# Altium PCB OneBox.PcbDoc (part 3 of 13) (continued)
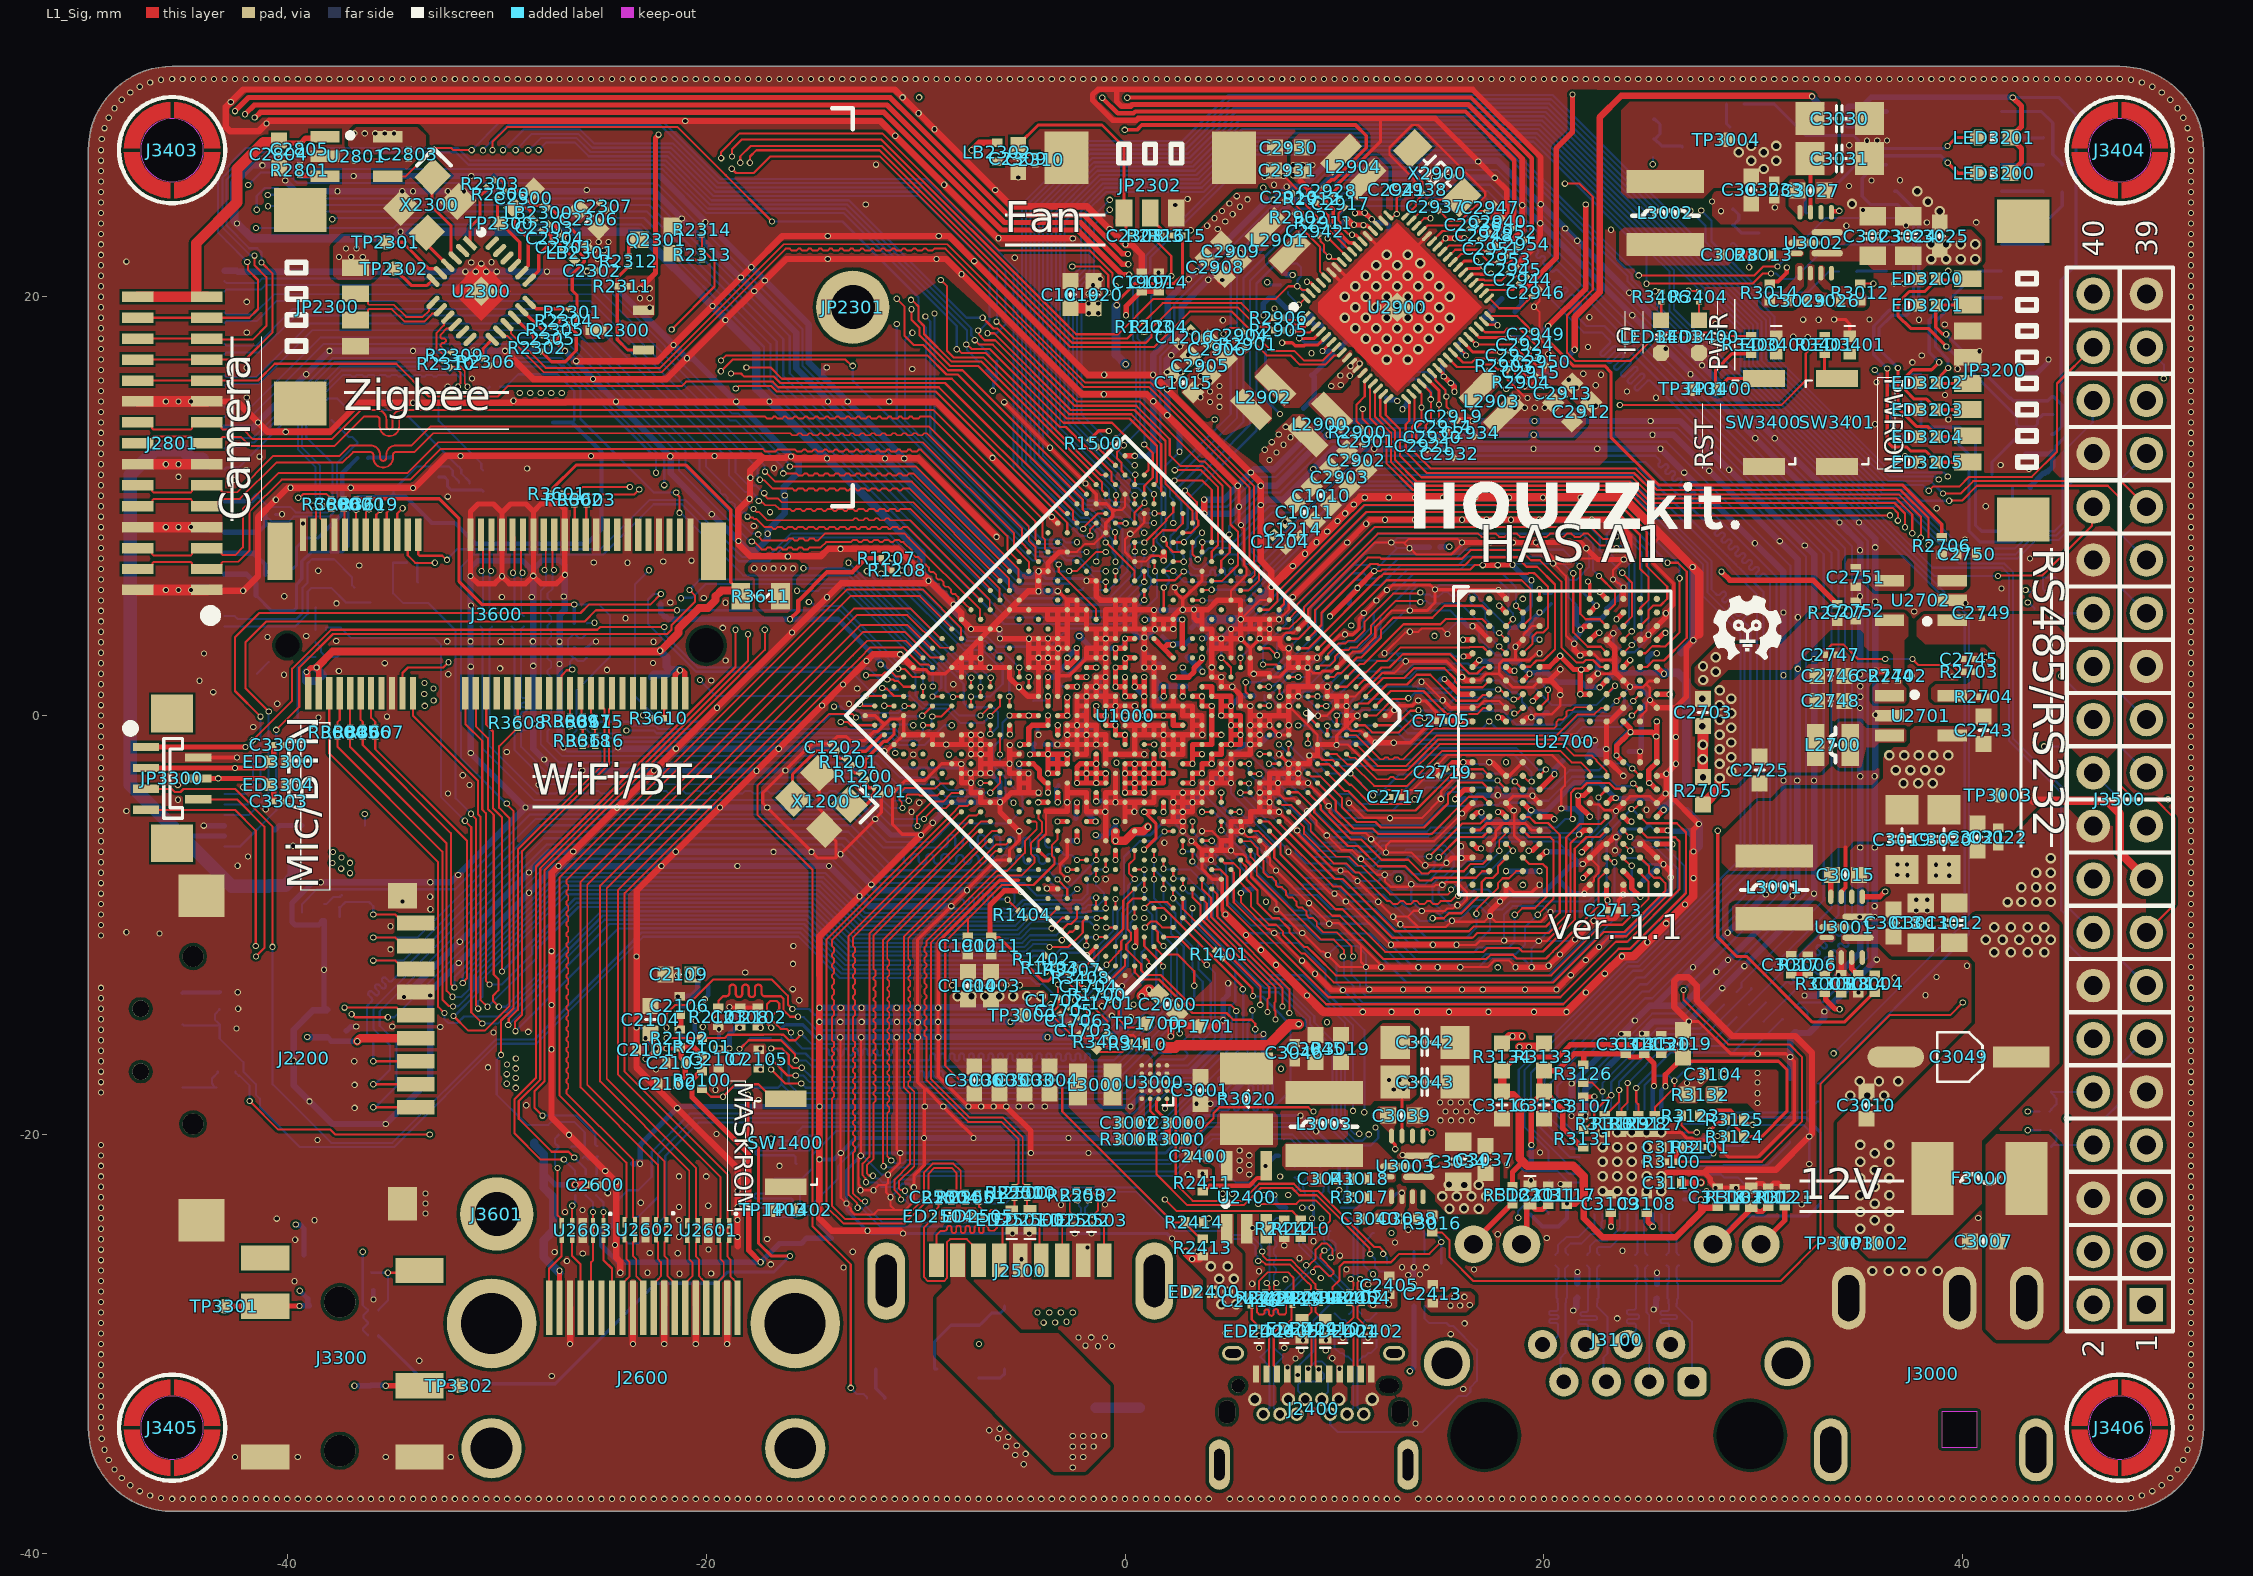
[diagram p0: L1_Sig view]
## Nets (pads, with @x,y where several pads share a name; then routed paths per layer and width w, separated by ;. In a path a pad name is that pad's centre, name@x,y a point inside that pad or via, vN(x,y) a via of type N, cw(c..) or ccw(c..) an arc to the next point about the centre after c; other vN are vias at no path point) (continued)
CSI_RESET_GPIO_A4: J2801.12 U1000.AG3 | length 65.7
  L1_Sig w0.102: J2801.12@-47.15,17 J2801.12@-43.85,17 -42,17 -40.7,18.3 -40.7,21.099 v1(-41.233,21.632) ; v1(-8.033,17.494) -7.98,17.494 -7.792,17.307 -6.637,17.307 -3.111,13.781 -2.817,13.781 -0.642,11.605 -0.642,11.213 U1000.AG3@-0.46,11.031
  L6_Sig w0.102: v1(-41.233,21.632) -41.233,22.115 -41.434,22.316 -41.816,22.316 -42.9,23.4 -42.9,25.6 -41.806,26.694 -39.694,26.694 -39.096,26.096 -22.099,26.096 -21.903,25.9 -20.003,24 -13.433,24 -8.033,18.601 v1(-8.033,17.494)
DDR_A_DM0: U1000.H5 U2700.C3 | length 16.1
  L1_Sig w0.104: U1000.H5@7.354,1.379 7.372,1.36 7.372,0.921 v1(7.391,0.903) ; U2700.C3@18.227,4.309 v1(18.517,4.598)
  L6_Sig w0.104: v1(7.391,0.903) 7.391,0.956 7.935,1.5 8.845,1.5 10.548,3.203 11.165,3.203 11.173,3.211 11.183,3.211 12.184,4.212 12.184,4.222 12.192,4.229 12.192,4.746 13.891,6.445 17.855,6.445 18.306,5.994 18.306,5.094 18.517,4.883 v1(18.517,4.598)
DDR_A_DM1: U1000.J4 U2700.C10 | length 25.6
  L1_Sig w0.104: v1(6.591,2.443) 7.209,2.443 U1000.J4@7.354,2.298 ; v1(23.737,6.822) 24.2,6.359 24.2,4.725 23.986,4.511 U2700.C10@23.773,4.298
  L6_Sig w0.104: v1(6.591,2.443) 6.591,3.274 7.7,4.383 7.7,4.747 11.953,9 22.193,9 22.665,8.528 22.665,7.895 v1(23.737,6.822)
DDR_A_DQ0: U1000.F2 U2700.B2 | length 9.5
  L1_Sig w0.104: U1000.F2@9.652,1.838 9.962,1.838 10.143,2.019 10.318,2.019 11.075,2.776 11.273,2.776 12.227,3.73 12.227,4.104 12.793,4.669 14.669,4.669 15.246,5.246 17.069,5.246 U2700.B2@17.392,4.924
DDR_A_DQ1: U1000.E1 U2700.C2 | length 8.1
  L1_Sig w0.104: U1000.E1@10.571,1.838 11.202,2.469 11.4,2.469 13.291,4.36 15.06,4.36 15.314,4.614 17.052,4.614 U2700.C2@17.392,4.274
DDR_A_DQ2: U1000.E2 U2700.E2 | length 8.3
  L1_Sig w0.104: U1000.E2@10.1,1.3 10.1,1.367 U1000.E2@10.112,1.379 10.593,1.379 11.265,2.051 11.496,2.051 12.046,2.6 12.5,2.6 13.144,3.244 16.433,3.244 16.466,3.277 17.088,3.277 U2700.E2@17.392,2.974
DDR_A_DQ3: U1000.D1 U2700.F2 | length 7.5
  L1_Sig w0.104: U1000.D1@11.075,1.379 11.406,1.71 11.658,1.71 12.241,2.293 12.627,2.293 13.265,2.931 15.517,2.931 16.441,2.007 16.807,2.007 17.124,2.324 U2700.F2@17.392,2.324
DDR_A_DQ4: U1000.J1 U2700.F4 | length 19.3
  L1_Sig w0.104: U1000.J1@8.733,3.677 9.383,4.327 9.383,4.901 11.718,7.237 12.05,7.237 12.103,7.184 16.229,7.184 16.605,7.56 18.724,7.56 19.172,7.111 19.675,7.111 20.525,6.261 20.525,3.173 19.979,2.627 19.642,2.627 19.347,2.332 19.001,2.332 U2700.F4@18.992,2.324
DDR_A_DQ5: U1000.J2 U2700.E4 | length 17.5
  L1_Sig w0.104: U1000.J2@8.273,3.217 8.755,3.217 12.176,6.638 12.222,6.638 12.359,6.775 19.06,6.775 19.243,6.775 19.272,6.804 19.514,6.804 19.516,6.801 19.55,6.801 20.162,6.189 20.195,6.156 20.195,4.195 19.97,3.97 19.657,3.97 19.458,3.77 19.458,3.494 19.46,3.491 19.46,3.442 U2700.E4@18.992,2.974
DDR_A_DQ6: U1000.H1 U2700.C4 | length 13.6
  L1_Sig w0.104: U1000.H1@9.214,3.195 10.09,4.071 12.486,6.467 18.936,6.467 19.352,6.051 19.352,4.634 U2700.C4@18.995,4.277
DDR_A_DQ7: U1000.H4 U2700.B4 | length 14.8
  L1_Sig w0.104: U1000.H4@7.814,1.838 v1(8.273,1.838) ; v1(18.667,5.248) U2700.B4@18.992,4.924
  L6_Sig w0.104: v1(8.273,1.838) 8.738,1.838 10.418,3.518 11.055,3.518 11.877,4.339 11.877,4.877 13.76,6.76 18.04,6.76 18.66,6.14 18.66,5.711 ; v1@18.66,5.255 18.66,5.711
DDR_A_DQ8: U1000.M1 U2700.B11 | length 23.9
  L1_Sig w0.104: U1000.M1@7.354,5.056 7.354,5.088 7.594,5.327 7.594,5.791 11.52,9.718 23.494,9.718 24.592,8.62 24.592,7.008 25,6.6 25,5.533 24.604,5.136 24.604,4.936 U2700.B11@24.592,4.924
DDR_A_DQ9: U1000.N2 U2700.C11 | length 26.9
  L1_Sig w0.104: U1000.N2@6.435,5.056 6.876,5.056 7.279,5.458 7.279,5.679 7.286,5.686 7.286,5.918 11.426,10.058 23.635,10.058 24.9,8.793 24.9,8.757 24.907,8.75 24.907,7.139 25.89,6.155 25.89,5.577 25.568,5.255 25.215,5.255 25,5.039 25,4.681 U2700.C11@24.649,4.33
DDR_A_DQ10: U1000.L7 U2700.E11 | length 33
  L1_Sig w0.104: v1(4.596,2.758) 5.056,2.298 U1000.L7@5.056,1.838 ; U2700.E11@24.592,2.974 24.846,2.974 25.18,3.308 25.53,3.308 25.807,3.307 26.479,3.979 v1(26.479,6.562)
  L6_Sig w0.104: v1(4.596,2.758) 4.596,3.191 5.647,4.242 5.67,4.242 5.879,4.451 5.879,4.473 11.431,10.025 23.667,10.025 26.479,7.214 v1(26.479,6.562)
DDR_A_DQ11: U1000.L6 U2700.F11 | length 32.3
  L1_Sig w0.104: U1000.L6@5.515,2.298 v1(5.515,2.758) ; U2700.F11@24.592,2.324 24.919,2.324 25.226,2.631 25.731,2.631 26.82,3.72 26.82,6.873 26.393,7.3 v1(25.9,7.3)
  L6_Sig w0.104: v1(5.515,2.758) 5.9,3.142 5.9,4.037 6.186,4.323 6.186,4.346 11.558,9.718 23.493,9.718 25.9,7.311 v1(25.9,7.3)
DDR_A_DQ12: U1000.K2 U2700.F9 | length 21.6
  L1_Sig w0.104: U1000.K2@7.814,3.677 7.819,3.672 8.284,3.672 8.872,4.26 9.076,4.463 9.076,5.028 11.591,7.544 12.178,7.544 12.231,7.491 16.091,7.491 16.5,7.9 18.894,7.9 19.376,7.419 19.806,7.419 20.833,6.392 20.833,3.267 21.571,2.529 21.867,2.529 21.993,2.656 22.344,2.656 22.676,2.324 U2700.F9@22.992,2.324
DDR_A_DQ13: U1000.J6 U2700.E9 | length 23.6
  L1_Sig w0.104: U1000.J6@6.435,1.379 6.436,1.377 6.856,1.377 v1(6.857,1.375) ; v1(21.398,6.8) 21.398,3.976 22.089,3.285 22.715,3.285 22.992,3.008 U2700.E9@22.992,2.974
  L6_Sig w0.104: v1(6.857,1.375) 6.896,1.414 7.07,1.414 9.415,3.758 9.415,4.97 10.93,6.485 11.27,6.485 11.521,6.233 12.22,6.233 13.159,7.173 15.924,7.173 16.352,7.602 20.577,7.602 21.378,6.8 v1(21.398,6.8)
DDR_A_DQ14: U1000.J7 U2700.C9 | length 24.6
  L1_Sig w0.104: v1(5.758,1.595) 5.748,1.585 5.748,1.146 U1000.J7@5.975,0.919 ; v1(21.713,7.131) 21.732,7.112 21.732,4.868 22,4.6 22.665,4.6 ; 22.796,4.469 22.665,4.6 ; U2700.C9@22.992,4.274 22.665,4.6
  L6_Sig w0.104: v1(5.758,1.595) 6.46,1.595 6.581,1.716 6.763,1.716 6.768,1.721 6.943,1.721 9.108,3.886 9.108,5.097 10.81,6.8 11.4,6.8 11.659,6.541 12.092,6.541 13.036,7.484 13.47,7.484 13.478,7.492 15.792,7.492 16.222,7.922 20.923,7.922 v1(21.713,7.131)
DDR_A_DQ15: U1000.L4 U2700.B9 | length 23.1
  L1_Sig w0.104: U1000.L4@6.435,3.217 6.894,3.217 7.23,2.882 v1(7.258,2.882) ; v1(22.629,6.663) 23.4,5.893 23.4,5.332 U2700.B9@22.992,4.924
  L6_Sig w0.104: v1(7.258,2.882) 7.258,3.441 8.015,4.197 8.015,4.609 12.091,8.685 21.843,8.685 22.351,8.177 22.351,8.132 22.353,8.131 22.353,7.854 22.351,7.852 22.351,6.942 v1(22.629,6.663)
DDR_A_DQS0_N: U1000.G2 U2700.E3 | length 11.8
  L1_Sig w0.091: U1000.G2@9.192,2.298 9.233,2.298 9.337,2.402 9.799,2.402 10.034,2.637 10.034,2.823 10.341,3.13 10.664,3.13 10.788,3.255 11.075,3.255 11.749,3.929 11.749,4.315 12.9,5.466 13.939,5.466 13.946,5.459 14.061,5.459 v1(14.1,5.42) ; v1(17.866,3.299) U2700.E3@18.192,2.974
  L6_Sig w0.091: v1(14.1,5.42) 14.139,5.459 14.249,5.459 14.261,5.47 14.405,5.47 14.515,5.36 15.998,5.36 17.27,4.088 17.27,3.885 17.857,3.299 v1(17.866,3.299)
DDR_A_DQS0_P: U1000.G1 U2700.D3 | length 11.9
  L1_Sig w0.091: U1000.G1@9.652,2.758 9.678,2.784 9.678,2.92 10.208,3.45 10.531,3.45 10.656,3.575 10.942,3.575 11.429,4.061 11.429,4.447 12.803,5.821 13.939,5.821 13.956,5.838 14.061,5.838 v1(14.1,5.877) ; v1(17.866,3.948) U2700.D3@18.192,3.624
  L6_Sig w0.091: v1(14.1,5.877) 14.158,5.877 14.244,5.79 14.537,5.79 14.648,5.68 14.964,5.68 15.184,5.9 15.4,5.9 15.584,5.716 15.8,5.716 15.984,5.9 16.3,5.9 16.5,5.7 16.5,5.4 16.7,5.2 17,5.2 17.2,5 17.2,4.621 17.59,4.231 17.59,4.019 17.65,3.96 17.855,3.96 v1(17.866,3.948)
DDR_A_DQS1_N: U1000.L1 U2700.E10 | length 24.6
  L1_Sig w0.091: U1000.L1@7.814,4.596 7.814,4.611 8.223,5.021 8.223,5.311 11.924,9.012 22.241,9.012 22.818,8.435 23.307,8.435 23.431,8.558 v1(23.469,8.558) ; U2700.E10@23.792,2.974 v1(24.192,3.373)
  L6_Sig w0.091: v1(23.469,8.558) 23.524,8.558 23.622,8.46 24.012,8.46 24.651,7.82 24.651,3.833 v1(24.192,3.373)
DDR_A_DQS1_P: U1000.L2 U2700.D10 | length 24.6
  L1_Sig w0.091: U1000.L2@7.354,4.137 7.382,4.165 7.84,4.165 8.403,4.727 8.403,4.747 8.544,4.888 8.544,5.179 12.056,8.692 16.866,8.692 17.022,8.536 17.245,8.536 17.4,8.692 17.708,8.692 17.864,8.536 18.136,8.536 18.292,8.692 18.708,8.692 18.864,8.536 19.136,8.536 19.292,8.692 19.708,8.692 19.864,8.536 20.136,8.536 20.292,8.692 20.508,8.692 20.664,8.536 20.936,8.536 21.092,8.692 21.308,8.692 21.464,8.536 21.736,8.536 21.892,8.692 22.108,8.692 22.685,8.115 23.305,8.115 23.414,8.006 v1(23.469,8.006) ; U2700.D10@23.792,3.624 v1(24.192,4.023)
  L6_Sig w0.091: v1(23.469,8.006) 23.524,8.006 23.622,8.104 23.915,8.104 24.331,7.687 24.331,4.181 24.192,4.041 v1(24.192,4.023)
DDR_B_DM0: U1000.D14 U2700.Y3 | length 17.2
  L1_Sig w0.104: U1000.D14@5.056,-4.596 v1(5.461,-4.595) ; v1(14.686,-9.678) 15.222,-9.678 15.465,-9.435 16.065,-9.435 17.034,-8.466 17.034,-7.947 17.223,-7.758 17.561,-7.758 17.8,-7.519 17.8,-7.208 U2700.Y3@18.192,-6.816
  L6_Sig w0.104: v1(5.461,-4.595) 5.74,-4.874 5.951,-4.874 7.417,-6.341 7.417,-6.349 7.425,-6.356 7.425,-6.641 8.536,-7.753 10.198,-7.753 10.682,-8.236 12.517,-8.236 12.753,-8.472 14.084,-9.803 14.509,-9.803 14.634,-9.678 v1(14.686,-9.678)
DDR_B_DM1: U1000.E17 U2700.Y10 | length 29.8
  L1_Sig w0.104: U1000.E17@3.217,-5.515 v1(3.217,-5.056) ; U2700.Y10@23.759,-6.82 23.795,-6.82 24.143,-7.168 v1(24.192,-7.168)
  L6_Sig w0.104: v1(3.217,-5.056) 3.217,-5.538 4.816,-7.137 4.816,-8.816 6.03,-10.03 8.584,-10.03 9.27,-10.715 11.415,-10.715 13.443,-12.743 20.339,-12.743 24.192,-8.889 v1(24.192,-7.168)
DDR_B_DQ0: U1000.B10 U2700.AA2 | length 11.5
  L1_Sig w0.104: U1000.B10@7.904,-3.649 7.913,-3.658 8.264,-3.658 9.036,-4.43 9.036,-4.613 10.646,-6.223 11.123,-6.223 12.092,-7.192 13.392,-7.192 14.074,-7.874 14.62,-7.874 14.753,-7.741 16.752,-7.741 17.058,-7.435 17.383,-7.435 U2700.AA2@17.392,-7.426
DDR_B_DQ1: U1000.A9 U2700.Y2 | length 10.7
  L1_Sig w0.104: U1000.A9@8.733,-3.677 9.343,-4.287 9.343,-4.486 10.765,-5.908 11.266,-5.908 12.242,-6.884 13.519,-6.884 14.168,-7.533 14.485,-7.533 14.585,-7.434 16.169,-7.434 16.169,-7.42 16.508,-7.08 17.088,-7.08 U2700.Y2@17.392,-6.776
DDR_B_DQ2: U1000.D12 U2700.V2 | length 15.3
  L1_Sig w0.104: v1(5.5,-3.68) 5.502,-3.678 U1000.D12@5.975,-3.677 U1000.D12@5.975,-3.677 ; v1(14.981,-6.763) 15.944,-5.8 17.068,-5.8 U2700.V2@17.392,-5.476
  L6_Sig w0.104: v1(5.5,-3.68) 5.5,-3.728 8.134,-6.362 8.134,-6.534 8.664,-7.064 10.464,-7.064 10.879,-7.479 10.89,-7.479 10.897,-7.486 12.003,-7.486 12.01,-7.479 12.021,-7.479 12.267,-7.233 13.356,-7.233 13.693,-7.571 14.45,-7.571 14.773,-7.248 14.773,-6.971 v1(14.981,-6.763)
DDR_B_DQ3: U1000.E12 U2700.U2 | length 14.8
  L1_Sig w0.104: U1000.E12@5.515,-3.217 5.527,-3.228 5.908,-3.228 v1(5.919,-3.24) ; v1(14.522,-6.729) 16.099,-5.152 16.952,-5.152 17.24,-4.864 17.354,-4.864 U2700.U2@17.392,-4.826
  L6_Sig w0.104: v1(5.919,-3.24) 5.887,-3.272 5.887,-3.68 8.963,-6.756 10.602,-6.756 11.024,-7.179 11.876,-7.179 12.136,-6.918 13.333,-6.918 13.523,-6.729 v1(14.522,-6.729)
DDR_B_DQ4: U1000.A12 U2700.U4 | length 21.8
  L1_Sig w0.104: U1000.A12@7.354,-5.056 7.354,-5.095 7.411,-5.153 7.411,-5.188 8.092,-5.868 10.023,-7.8 10.391,-7.8 12.886,-10.295 16.423,-10.295 16.645,-10.074 20.097,-10.074 20.76,-9.411 20.76,-5.695 20.196,-5.13 19.595,-5.13 19.3,-4.835 19.001,-4.835 U2700.U4@18.992,-4.826
DDR_B_DQ5: U1000.D15 U2700.V4 | length 25.2
  L1_Sig w0.104: v1(4.595,-5.478) U1000.D15@4.596,-5.056 ; U2700.V4@18.992,-5.476 19.315,-5.8 20.3,-5.8 20.452,-5.952 20.452,-8.76 v1(19.701,-9.511)
  L6_Sig w0.104: v1(4.595,-5.478) 4.619,-5.478 5.892,-6.752 5.892,-7.098 7.409,-8.615 7.409,-8.617 8.106,-9.313 8.892,-9.313 9.17,-9.592 9.57,-9.592 9.572,-9.59 9.828,-9.59 9.83,-9.592 11.869,-9.592 13.933,-11.656 16.955,-11.656 17.219,-11.392 18.642,-11.392 19.1,-10.934 19.1,-10.113 v1(19.701,-9.511)
DDR_B_DQ6: U1000.E15 U2700.Y4 | length 24.5
  L1_Sig w0.104: v1(3.677,-4.596) U1000.E15@4.137,-4.596 ; v1(18.609,-9.508) 18.661,-9.508 18.969,-9.2 19.567,-9.2 20.145,-8.622 20.145,-7.281 19.957,-7.092 19.308,-7.092 U2700.Y4@18.992,-6.776
  L6_Sig w0.104: v1(3.677,-4.596) 4.225,-4.596 5.237,-5.608 5.237,-5.653 6.199,-6.616 6.199,-6.96 7.803,-8.563 9.163,-8.563 9.83,-9.23 11.942,-9.23 14.029,-11.318 16.637,-11.318 16.88,-11.074 18.326,-11.074 18.595,-10.805 18.595,-9.522 v1(18.609,-9.508)
DDR_B_DQ7: U1000.E14 U2700.AA4 | length 20.2
  L1_Sig w0.104: U1000.E14@4.596,-4.137 v1(4.596,-3.677) ; v1(16.774,-9.465) 16.788,-9.451 16.788,-9.25 17.228,-8.811 17.8,-8.239 17.8,-8 18.03,-7.77 18.33,-7.77 18.674,-7.426 U2700.AA4@18.992,-7.426
  L6_Sig w0.104: v1(4.596,-3.677) 4.596,-4.296 5.481,-5.181 5.706,-5.181 5.823,-5.182 7.11,-6.468 7.11,-6.772 8.267,-7.928 8.277,-7.928 8.409,-8.06 10.06,-8.06 10.544,-8.544 12.333,-8.544 13.614,-9.824 14.39,-10.6 16.3,-10.6 16.774,-10.126 v1(16.774,-9.465)
DDR_B_DQ8: U1000.A16 U2700.AA11 | length 25.6
  L1_Sig w0.104: U1000.A16@5.515,-6.894 5.543,-6.922 5.543,-6.972 5.801,-7.23 5.801,-7.828 6.327,-8.353 6.327,-8.958 7.044,-9.675 7.344,-9.675 7.854,-10.185 7.854,-10.346 8.564,-11.056 8.715,-11.056 9.093,-11.433 10.062,-12.402 20.353,-12.402 22.768,-9.988 23.756,-9.988 25,-8.743 25,-7.926 24.658,-7.584 24.658,-7.546 24.592,-7.479 U2700.AA11@24.592,-7.426
DDR_B_DQ9: U1000.B17 U2700.Y11 | length 28.5
  L1_Sig w0.104: U1000.B17@4.596,-6.894 4.748,-7.047 5.183,-7.047 5.493,-7.357 5.493,-7.958 5.667,-8.131 5.67,-8.131 5.867,-8.328 5.867,-8.331 6.019,-8.484 6.019,-9.119 6.889,-9.989 7.214,-9.989 7.546,-10.322 7.546,-10.473 8.437,-11.363 8.588,-11.363 8.785,-11.561 9.961,-12.736 20.454,-12.736 22.862,-10.328 23.85,-10.328 25.8,-8.378 25.8,-8.002 25.541,-7.743 25.252,-7.743 25.014,-7.505 25.014,-7.199 U2700.Y11@24.592,-6.776
DDR_B_DQ10: U1000.A17 U2700.V11 | length 31.3
  L1_Sig w0.104: U1000.A17@5.056,-7.354 5.056,-7.358 5.186,-7.488 5.186,-8.916 9.715,-13.445 20.783,-13.445 23.434,-10.794 23.973,-10.794 26.473,-8.294 26.473,-6.283 ; U2700.V11@24.592,-5.476 24.939,-5.824 25.264,-5.824 25.266,-5.823 25.517,-5.823 25.519,-5.824 26.028,-5.824 26.041,-5.811 26.278,-5.811 26.473,-6.007 26.473,-6.283
DDR_B_DQ11: U1000.B18 U2700.U11 | length 33.7
  L1_Sig w0.104: U1000.B18@4.137,-7.354 4.554,-7.354 4.879,-7.679 4.879,-9.06 9.604,-13.785 20.924,-13.785 23.575,-11.134 24.114,-11.134 26.78,-8.468 26.78,-6.343 26.781,-5.879 26.78,-5.58 26.342,-5.142 24.907,-5.142 U2700.U11@24.592,-4.826
DDR_B_DQ12: U1000.B13 U2700.U9 | length 23.5
  L1_Sig w0.104: U1000.B13@6.435,-5.056 6.845,-5.056 7.104,-5.314 ; 7.104,-5.315 9.896,-8.107 9.951,-8.161 10.303,-8.161 10.683,-8.541 12.745,-10.603 16.551,-10.603 16.552,-10.601 16.599,-10.601 16.819,-10.381 20.224,-10.381 21.067,-9.539 21.067,-5.822 21.718,-5.172 22.718,-5.172 22.915,-4.975 22.915,-4.956 22.992,-4.879 U2700.U9@22.992,-4.826
DDR_B_DQ13: U1000.A13 U2700.V9 | length 23.3
  L1_Sig w0.104: U1000.A13@6.894,-5.551 7.429,-6.086 7.429,-6.629 10.046,-9.246 10.381,-9.246 12.417,-11.282 17.118,-11.282 17.3,-11.1 17.959,-11.1 17.961,-11.101 18.239,-11.101 18.241,-11.1 18.8,-11.1 18.966,-11.266 19.952,-11.266 21.476,-9.743 21.476,-6.358 22.034,-5.8 22.668,-5.8 U2700.V9@22.992,-5.476
DDR_B_DQ14: U1000.D17 U2700.Y9 | length 27.4
  L1_Sig w0.104: U1000.D17@3.677,-5.975 v1(4.137,-5.975) ; U2700.Y9@22.992,-6.776 23.037,-6.776 23.228,-6.968 23.329,-6.968 v1(23.365,-7.005)
  L6_Sig w0.104: v1(4.137,-5.975) 4.137,-5.991 5.123,-6.978 5.123,-8.678 6.168,-9.722 8.711,-9.722 9.389,-10.4 11.7,-10.4 12.13,-10.83 12.13,-10.852 13.692,-12.414 20.233,-12.414 23.365,-9.281 23.365,-8.965 23.373,-8.957 23.373,-8.679 23.365,-8.671 v1(23.365,-7.005)
DDR_B_DQ15: U1000.B14 U2700.AA9 | length 22.5
  L1_Sig w0.104: U1000.B14@5.975,-5.515 6.377,-5.515 6.6,-5.738 6.6,-5.741 7.122,-6.263 7.122,-6.775 9.9,-9.554 10.254,-9.554 12.325,-11.625 17.25,-11.625 17.461,-11.415 18.515,-11.415 18.7,-11.6 20.1,-11.6 20.427,-11.273 20.427,-11.268 20.624,-11.071 20.629,-11.071 21.145,-10.555 21.145,-10.549 21.342,-10.352 21.348,-10.352 22.043,-9.657 22.043,-9.651 22.241,-9.454 22.246,-9.454 22.6,-9.1 22.6,-7.818 U2700.AA9@22.992,-7.426
DDR_B_DQS0_N: U1000.B11 U2700.V3 | length 14.6
  L1_Sig w0.091: U1000.B11@7.354,-4.137 7.494,-4.276 7.946,-4.276 8.866,-5.196 8.866,-5.513 10.093,-6.74 10.694,-6.74 11.124,-7.17 11.289,-7.17 12.659,-8.539 15.424,-8.539 15.524,-8.44 15.524,-8.342 v1(15.565,-8.302) ; v1(17.867,-6.451) 17.867,-5.95 18.154,-5.662 18.154,-5.514 U2700.V3@18.192,-5.476
  L6_Sig w0.091: v1(15.565,-8.302) 15.616,-8.302 16.696,-7.221 17.172,-7.221 17.79,-6.603 17.79,-6.583 17.867,-6.506 v1(17.867,-6.451)
DDR_B_DQS0_P: U1000.A11 U2700.W3 | length 14.6
  L1_Sig w0.091: U1000.A11@7.814,-4.596 8.546,-5.328 8.546,-5.645 9.96,-7.06 10.561,-7.06 10.991,-7.49 11.157,-7.49 12.526,-8.86 12.66,-8.86 12.8,-9 13,-9 13.14,-8.86 13.3,-8.86 13.44,-9 13.64,-9 13.781,-8.86 13.94,-8.86 14.081,-9 14.281,-9 14.421,-8.86 14.581,-8.86 14.721,-9 14.921,-9 15.062,-8.86 15.557,-8.86 15.773,-8.643 15.871,-8.643 v1(15.912,-8.602) ; U2700.W3@18.192,-6.126 v1(18.517,-6.451)
  L6_Sig w0.091: v1(15.912,-8.602) 15.912,-8.581 16.951,-7.541 17.305,-7.541 18.354,-6.492 18.476,-6.492 v1(18.517,-6.451)
DDR_B_DQS1_N: U1000.A15 U2700.V10 | length 32.4
  L1_Sig w0.091: U1000.A15@5.975,-6.435 5.998,-6.458 5.998,-6.75 6.287,-7.039 6.287,-7.617 9.37,-10.7 9.968,-10.7 10.464,-11.195 10.464,-11.339 10.439,-11.364 10.439,-11.461 v1(10.4,-11.5) ; U2700.V10@23.792,-5.476 v1(24.117,-5.801)
  L6_Sig w0.091: v1(10.4,-11.5) 10.439,-11.539 10.439,-11.636 10.464,-11.661 10.464,-12.464 10.902,-12.902 10.902,-13.256 11.374,-13.728 20.572,-13.728 ; 20.573,-13.727 20.968,-13.727 23.566,-11.129 24.164,-11.129 26.716,-8.577 26.716,-7.188 25.482,-5.954 24.274,-5.954 24.122,-5.801 v1(24.117,-5.801)
DDR_B_DQS1_P: U1000.B15 U2700.W10 | length 32.4
  L1_Sig w0.091: U1000.B15@5.515,-5.975 5.539,-5.998 5.991,-5.998 6.318,-6.325 6.318,-6.617 6.607,-6.906 6.607,-7.484 6.823,-7.7 7,-7.7 7.2,-7.9 7.2,-8.077 7.311,-8.189 7.489,-8.189 7.689,-8.389 7.689,-8.566 7.8,-8.677 7.977,-8.677 8.177,-8.877 8.177,-9.054 8.289,-9.166 8.466,-9.166 8.666,-9.366 8.666,-9.543 8.777,-9.654 8.954,-9.654 9.154,-9.854 9.154,-10.031 9.266,-10.143 9.467,-10.344 10.116,-10.344 10.819,-11.048 10.819,-11.339 10.844,-11.364 10.844,-11.461 v1(10.883,-11.5) ; U2700.W10@23.792,-6.126 v1(24.117,-6.451)
  L6_Sig w0.091: v1(10.883,-11.5) 10.844,-11.539 10.844,-11.636 10.819,-11.661 10.819,-12.367 11.222,-12.77 11.222,-13.122 11.507,-13.407 20.835,-13.407 23.433,-10.809 24.032,-10.809 26.396,-8.445 26.396,-7.321 25.349,-6.274 24.289,-6.274 24.117,-6.446 v1(24.117,-6.451)
DDR_RZQ: R1100.1 U1000.H7 | length 1
  L1_Sig w0.102: U1000.H7@6.435,0.46 6.443,0.468 6.86,0.468 v1(6.869,0.477)
  L6_Sig w0.102: R1100.1@6.667,0.983 6.667,0.706 6.869,0.505 v1(6.869,0.477)
eMMC_CLKOUT/FLASH_DQS: R1400.1 U2100.M6 | length 27.6
  L1_Sig w0.104: v1(-21.9,-14.9) -21.9,-14.245 -21.471,-13.816 -20.874,-13.816 -19.657,-12.599 -16.873,-12.599 -16.1,-13.372 -16.1,-13.794 -15.886,-14.008 v1(-15.886,-14.013)
  L6_Sig w0.104: v1(-15.886,-14.013) -15.087,-14.013 -14.816,-14.284 -1.056,-14.284 -0.017,-13.246 -0.007,-13.246 0.187,-13.052 0.187,-13.041 0.8,-12.428 0.8,-11.3 0.948,-11.152 R1400.1@0.948,-10.661
eMMC_CLKOUT/FLASH_DQS_SOC: R1400.2 U1000.A23 | length 1.6
  L1_Sig w0.102: v1(0.946,-10.12) 1.231,-9.834 1.494,-9.834 1.771,-10.112 U1000.A23@2.298,-10.112
  L6_Sig w0.102: R1400.2@0.907,-10.159 v1(0.946,-10.12)
eMMC_CMD/FLASH_WRn: R2101.1 U1000.B22 U2100.M5 | length 31.2
  L1_Sig w0.104: v1(-21.9,-15.4) -19.129,-15.4 -18.964,-15.235 -17.266,-15.235 -17.263,-15.232 -17.236,-15.232 -16.411,-15.232 -16.408,-15.235 -16.307,-15.235 -16.043,-15.499 -15.736,-15.499 -15.541,-15.305 -15.541,-15.258 -15.494,-15.211 v1(-15.494,-15.158) ; v1(0.916,-9.189) 1.198,-8.907 2.013,-8.907 U1000.B22@2.298,-9.192
  L6_Sig w0.104: v1(-15.494,-15.158) -14.965,-15.688 -0.545,-15.688 1.485,-13.657 1.485,-12.122 1.482,-12.118 1.482,-11.843 1.485,-11.84 1.485,-11.185 1.294,-10.994 1.294,-9.514 1.155,-9.374 ; v1(0.916,-9.189) 0.969,-9.189 1.154,-9.374
eMMC_D0/FLASH_D0: R2100.1 SW1400.1 U1000.A24 U2100.A3 | length 41.3
  L1_Sig w0.104: R2100.1@-20.2,-17.825 -20.15,-17.825 -19.775,-18.2 v1(-19.2,-18.2) -18.6,-17.6 -17.5,-17.6 -16.8,-18.3 SW1400.1@-16.2,-18.3 ; U1000.A24@1.84,-10.573 2.537,-10.573 3.864,-11.9 v1(3.9,-11.9)
  L4_Sig w0.33: v1(-19.2,-18.2) -18.4,-17.4 -16.727,-17.4 -16.4,-17.073 v1(-16.4,-16.4)
  L6_Sig w0.104: v1(-19.2,-18.2) -18.768,-17.768 -16.569,-17.768 -16.4,-17.6 ; v1(-16.4,-16.4) -16.4,-17.6 ; v1(3.9,-11.9) 4.3,-12.3 4.3,-15.399 2.99,-16.709 1.793,-16.709 0.203,-18.299 -15.701,-18.299 -16.4,-17.6
eMMC_D1/FLASH_D1: U1000.C21 U2100.A4 | length 32.4
  L1_Sig w0.104: v1(2.295,-8.719) 2.297,-8.717 2.297,-8.275 U1000.C21@2.298,-8.273
  L6_Sig w0.104: U2100.A4@-16.4,-15.9 -16.221,-16.079 -16.122,-16.179 -16.055,-16.246 -16.055,-17.571 -15.604,-18.021 -0.007,-18.021 1.589,-16.425 2.793,-16.425 2.895,-16.323 2.931,-16.286 ccw(c2.823,-16.178) 2.931,-16.069 2.865,-16.003 cw(c2.974,-15.894) 2.865,-15.786 cw(c2.974,-15.894) 3.083,-15.786 3.205,-15.907 ccw(c3.313,-15.799) 3.422,-15.907 ccw(c3.313,-15.799) 3.422,-15.69 3.3,-15.568 cw(c3.409,-15.46) 3.3,-15.351 cw(c3.409,-15.46) 3.517,-15.351 3.583,-15.417 ccw(c3.692,-15.308) 3.801,-15.417 4.092,-15.126 4.026,-15.192 4.094,-15.124 4.094,-12.694 3.501,-12.101 3.501,-10.801 2.664,-9.964 2.664,-9.088 v1(2.295,-8.719)
eMMC_D2/FLASH_D2: U1000.B24 U2100.A5 | length 32.7
  L1_Sig w0.104: U1000.B24@1.379,-10.112 1.379,-10.147 1.56,-10.328 1.56,-10.76 1.801,-11.001 v1(1.831,-11.001)
  L6_Sig w0.104: U2100.A5@-16.4,-15.4 -16.4,-15.439 -16.327,-15.512 -16.327,-15.515 -15.711,-16.131 -15.259,-16.131 -14.937,-16.454 -9.693,-16.454 -9.417,-16.454 ccw(c-9.417,-16.338) -9.301,-16.338 -9.301,-16.248 cw(c-9.186,-16.248) -9.07,-16.248 -9.07,-16.368 ccw(c-8.955,-16.368) -8.839,-16.368 -8.839,-16.248 cw(c-8.723,-16.248) -8.608,-16.248 -8.608,-16.368 ccw(c-8.492,-16.368) -8.377,-16.368 -8.377,-16.248 cw(c-8.261,-16.248) -8.146,-16.248 -8.146,-16.368 ccw(c-8.03,-16.368) -7.914,-16.368 -7.914,-16.248 cw(c-7.799,-16.248) -7.683,-16.248 -7.683,-16.368 ccw(c-7.568,-16.368) -7.452,-16.368 -7.452,-16.248 cw(c-7.337,-16.248) -7.221,-16.248 -7.221,-16.368 ccw(c-7.105,-16.368) -6.99,-16.368 -6.99,-16.248 cw(c-6.874,-16.248) -6.759,-16.248 -6.759,-16.368 ccw(c-6.643,-16.368) -6.528,-16.368 -6.528,-16.248 cw(c-6.412,-16.248) -6.296,-16.248 -6.296,-16.368 ccw(c-6.181,-16.368) -6.065,-16.368 -6.065,-16.248 cw(c-5.95,-16.248) -5.834,-16.248 -5.834,-16.368 ccw(c-5.719,-16.368) -5.603,-16.368 -5.603,-16.248 cw(c-5.487,-16.248) -5.372,-16.248 -5.372,-16.368 ccw(c-5.256,-16.368) -5.141,-16.368 -5.141,-16.248 cw(c-5.025,-16.248) -4.91,-16.248 -4.91,-16.368 ccw(c-4.794,-16.368) -4.678,-16.368 -4.678,-16.248 cw(c-4.563,-16.248) -4.447,-16.248 -4.447,-16.368 ccw(c-4.332,-16.368) -4.216,-16.368 -4.216,-16.248 cw(c-4.101,-16.248) -3.985,-16.248 -3.985,-16.368 ccw(c-3.869,-16.368) -3.754,-16.368 -3.754,-16.248 cw(c-3.638,-16.248) -3.523,-16.248 -3.523,-16.368 ccw(c-3.407,-16.368) -3.292,-16.368 -3.292,-16.248 cw(c-3.176,-16.248) -3.06,-16.248 -3.06,-16.368 ccw(c-2.945,-16.368) -2.829,-16.368 -2.829,-16.248 cw(c-2.714,-16.248) -2.598,-16.248 -2.598,-16.368 ccw(c-2.483,-16.368) -2.367,-16.368 -2.367,-16.248 cw(c-2.251,-16.248) -2.136,-16.248 -2.136,-16.368 ccw(c-2.02,-16.368) -1.905,-16.368 -1.905,-16.248 cw(c-1.789,-16.248) -1.674,-16.248 -1.674,-16.338 ccw(c-1.558,-16.338) -1.558,-16.454 -1.275,-16.454 -0.531,-16.454 2.2,-13.722 2.2,-11.37 v1(1.831,-11.001)
eMMC_D3/FLASH_D3: U1000.D21 U2100.B2 | length 29.8
  L1_Sig w0.104: v1(-16.9,-16.9) -16.232,-17.568 -15.467,-17.568 v1(-15.461,-17.562) ; v1(1.838,-8.273) U1000.D21@1.838,-7.814
  L6_Sig w0.104: v1(-15.461,-17.562) -15.252,-17.771 -0.19,-17.771 1.481,-16.1 2.2,-16.1 3.711,-14.589 3.711,-12.711 3.216,-12.216 3.216,-11.033 2.406,-10.223 2.406,-9.45 2.2,-9.245 2.2,-9.242 1.838,-8.88 v1(1.838,-8.273)
eMMC_D4/FLASH_D4: U1000.A25 U2100.B3 | length 30.4
  L1_Sig w0.104: v1(-16.9,-16.4) -16.118,-17.181 v1(-15.723,-17.181) ; U1000.A25@1.379,-11.031 1.748,-11.4 2.5,-11.4 3.306,-12.206 v1(3.306,-12.9)
  L6_Sig w0.104: v1(-15.723,-17.181) -15.373,-17.181 -15.054,-17.5 -6.285,-17.5 -6.014,-17.229 -5.731,-17.229 cw(c-5.731,-17.345) -5.616,-17.345 -5.616,-17.416 ccw(c-5.5,-17.416) -5.385,-17.416 -5.385,-17.307 cw(c-5.269,-17.307) -5.153,-17.307 -5.153,-17.416 ccw(c-5.038,-17.416) -4.922,-17.416 -4.922,-17.307 cw(c-4.807,-17.307) -4.691,-17.307 -4.691,-17.416 ccw(c-4.576,-17.416) -4.46,-17.416 -4.46,-17.307 cw(c-4.344,-17.307) -4.229,-17.307 -4.229,-17.416 ccw(c-4.113,-17.416) -3.998,-17.416 -3.998,-17.307 cw(c-3.882,-17.307) -3.767,-17.307 -3.767,-17.416 ccw(c-3.651,-17.416) -3.535,-17.416 -3.535,-17.307 cw(c-3.42,-17.307) -3.304,-17.307 -3.304,-17.416 ccw(c-3.189,-17.416) -3.073,-17.416 -3.073,-17.307 cw(c-2.958,-17.307) -2.842,-17.307 -2.842,-17.416 ccw(c-2.726,-17.416) -2.611,-17.416 -2.611,-17.307 cw(c-2.495,-17.307) -2.38,-17.307 -2.38,-17.416 ccw(c-2.264,-17.416) -2.149,-17.416 -2.149,-17.307 cw(c-2.033,-17.307) -1.917,-17.307 -1.917,-17.416 ccw(c-1.802,-17.416) -1.686,-17.416 -1.686,-17.345 cw(c-1.571,-17.345) -1.571,-17.229 -1.1,-17.229 -0.203,-17.229 3.306,-13.72 v1(3.306,-12.9)
eMMC_D5/FLASH_D5: U1000.E21 U2100.B4 | length 30.3
  L1_Sig w0.104: v1(-16.9,-15.9) -16.364,-15.9 -16.055,-16.21 -16.055,-16.629 -15.857,-16.827 -15.451,-16.827 v1(-15.442,-16.818) ; v1(1.379,-7.814) U1000.E21@1.379,-7.354
  L6_Sig w0.104: v1(-15.442,-16.818) -15.43,-16.818 -14.989,-17.259 -10,-17.259 -9.948,-17.259 ccw(c-9.948,-17.144) -9.832,-17.144 -9.832,-17.089 cw(c-9.717,-17.089) -9.601,-17.089 -9.601,-17.179 ccw(c-9.486,-17.179) -9.37,-17.179 -9.37,-17.089 cw(c-9.254,-17.089) -9.139,-17.089 -9.139,-17.179 ccw(c-9.023,-17.179) -8.908,-17.179 -8.908,-17.089 cw(c-8.792,-17.089) -8.677,-17.089 -8.677,-17.144 ccw(c-8.561,-17.144) -8.561,-17.259 -8.217,-17.259 -6.959,-17.259 -6.685,-16.985 -0.331,-16.985 2.8,-13.854 2.8,-11.032 2.2,-10.432 2.2,-9.536 1.982,-9.317 1.969,-9.317 1.379,-8.728 v1(1.379,-7.814)
eMMC_D6/FLASH_D6: U1000.E22 U2100.B5 | length 31.3
  L1_Sig w0.104: v1(-18.409,-15.916) -18.389,-15.916 -17.975,-15.502 -16.431,-15.502 -15.761,-16.173 -15.761,-16.425 v1(-15.723,-16.463) ; v1(0.919,-8.316) U1000.E22@0.919,-7.814
  L6_Sig w0.104: v1(-18.409,-15.916) -17.894,-15.4 U2100.B5@-16.9,-15.4 ; v1(-15.723,-16.463) -15.245,-16.463 -14.94,-16.768 -11.155,-16.768 -9.235,-16.768 -0.465,-16.768 2.483,-13.82 2.483,-11.156 1.5,-10.173 1.5,-9.196 0.919,-8.616 v1(0.919,-8.316)
eMMC_D7/FLASH_D7: U1000.B25 U2100.B6 | length 29.9
  L1_Sig w0.104: v1(-16.9,-14.9) -17.096,-14.704 -17.096,-14.404 -17.1,-14.4 -17.1,-14.152 -17.096,-14.148 -17.096,-13.778 -16.95,-13.632 -16.622,-13.632 -16.511,-13.742 -16.511,-13.996 -16.868,-14.352 -16.868,-14.53 -16.698,-14.7 -16.698,-14.702 -16.443,-14.957 -16.169,-14.957 -15.999,-15.127 v1(-15.946,-15.127) ; U1000.B25@0.919,-10.571 0.919,-11.002 1.743,-11.826 1.743,-11.857 1.813,-11.928 v1(1.813,-11.981)
  L6_Sig w0.104: v1(-15.946,-15.127) -15.946,-15.354 -15.4,-15.9 -14.6,-15.9 -14.262,-15.9 cw(c-14.262,-16.016) -14.146,-16.016 -14.146,-16.119 ccw(c-14.031,-16.119) -13.915,-16.119 -13.915,-16.016 cw(c-13.8,-16.016) -13.684,-16.016 -13.684,-16.119 ccw(c-13.568,-16.119) -13.453,-16.119 -13.453,-16.016 cw(c-13.337,-16.016) -13.222,-16.016 -13.222,-16.119 ccw(c-13.106,-16.119) -12.991,-16.119 -12.991,-16.016 cw(c-12.875,-16.016) -12.759,-16.016 -12.759,-16.119 ccw(c-12.644,-16.119) -12.528,-16.119 -12.528,-16.016 cw(c-12.413,-16.016) -12.297,-16.016 -12.297,-16.119 ccw(c-12.182,-16.119) -12.066,-16.119 -12.066,-16.016 cw(c-11.951,-16.016) -11.835,-16.016 -11.835,-16.119 ccw(c-11.719,-16.119) -11.604,-16.119 -11.604,-16.016 cw(c-11.488,-16.016) -11.373,-16.016 -11.373,-16.119 ccw(c-11.257,-16.119) -11.142,-16.119 -11.142,-16.016 cw(c-11.026,-16.016) -11.026,-15.9 -10.974,-15.9 -0.356,-15.9 1.813,-13.731 v1(1.813,-11.981)